# KiCad board KiBoxLite_H.kicad_pcb
title: ESP32-PoE; date: 2025-02-21; rev: M1; company: OLIMEX Ltd.; note: https://www.olimex.com
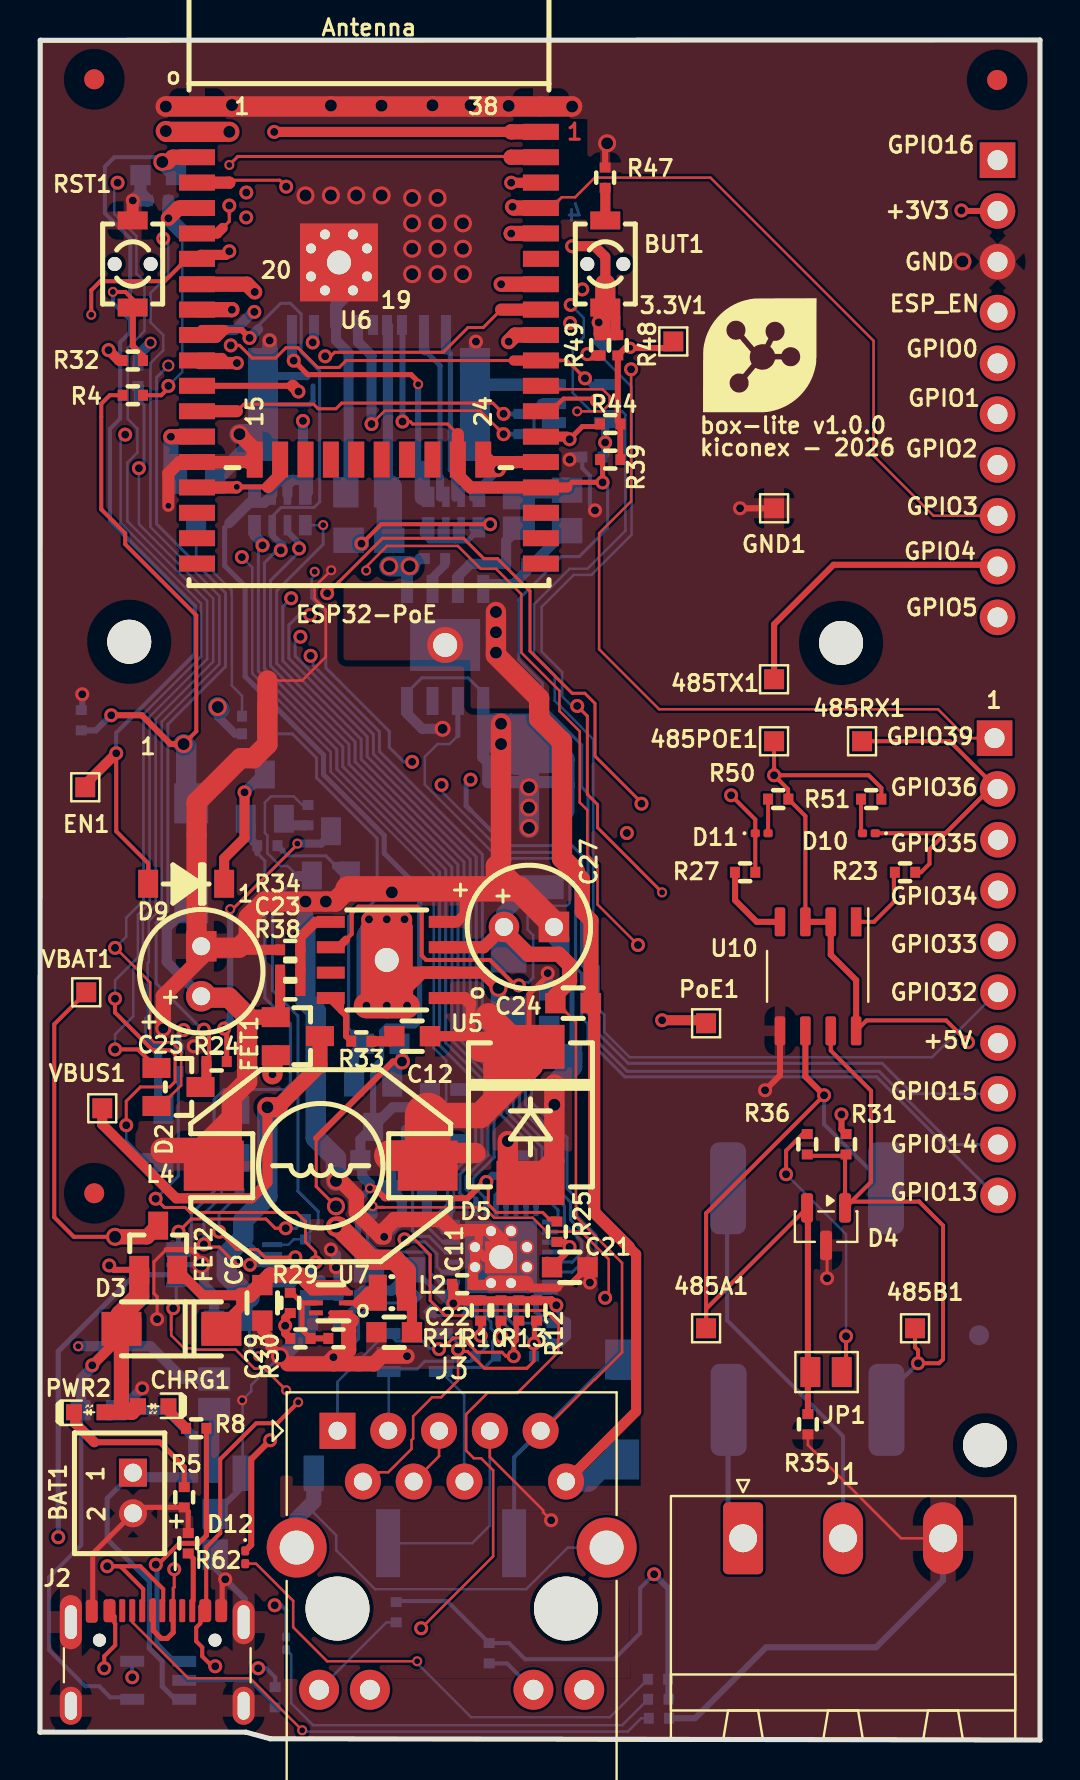
[diagram p0: board, top side]
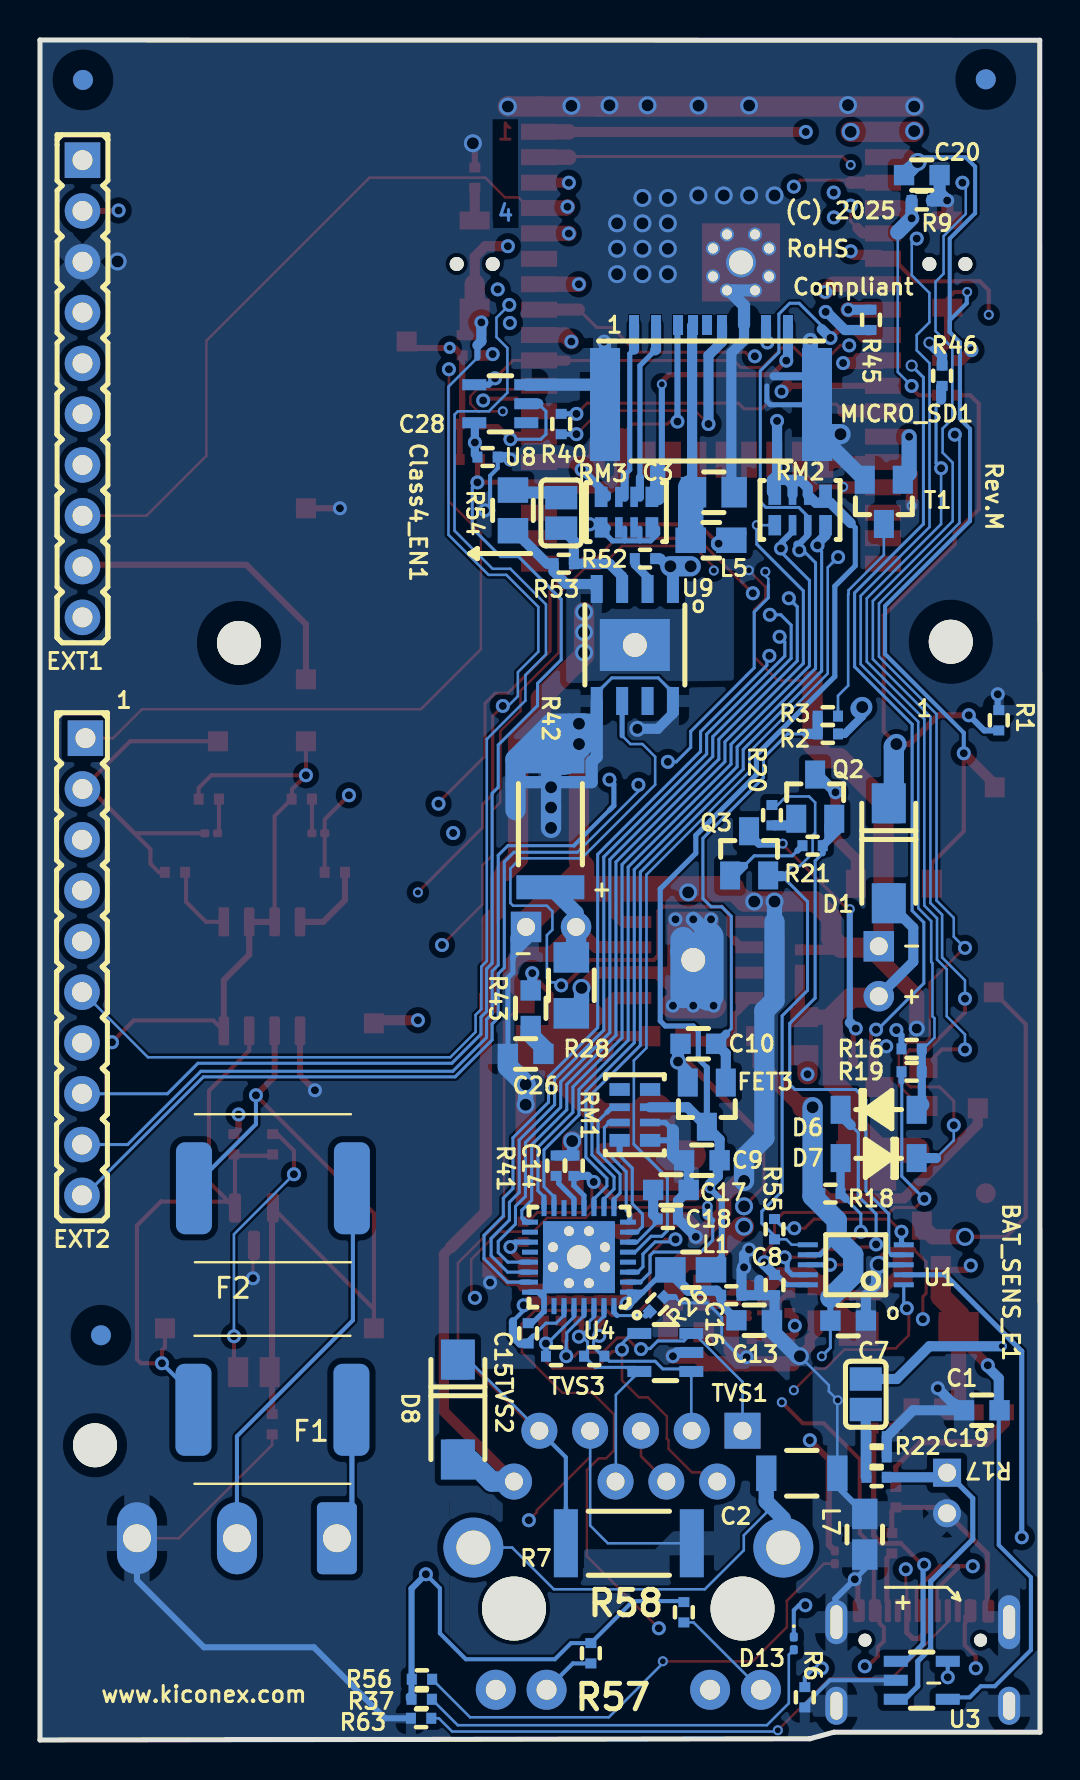
[diagram p1: board, bottom side, seen from below]

Outline 50.01 x 85 mm; copper layers: Top, In1.Cu (plane), In2.Cu (plane), Bottom. Coordinates in mm from the lower left corner of the outline.
Outline path: 10.3,0.39 0,0.39 0.01,84.99 50.01,85 50.01,0 11.51,0.06 10.31,0.39
Stack: Top 0.035mm / dielectric 0.48mm FR4 er 4.5 / In1.Cu 0.035mm / dielectric 0.48mm FR4 er 4.5 / In2.Cu 0.035mm / dielectric 0.48mm FR4 er 4.5 / Bottom 0.035mm

## Placement (name value [footprint] x y rotation side)
3.3V1  TestPoint  [TestPoint_Pad_1.0x1.0mm]  31.67 69.93 0 top
485A1  TestPoint  [TestPoint_Pad_1.0x1.0mm]  33.31 20.59 0 top
485B1  TestPoint  [TestPoint_Pad_1.0x1.0mm]  43.76 20.59 0 top
485POE1  TestPoint  [TestPoint_Pad_1.0x1.0mm]  36.71 49.94 0 top
485RX1  TestPoint  [TestPoint_Pad_1.0x1.0mm]  41.11 49.94 0 top
485TX1  TestPoint  [TestPoint_Pad_1.0x1.0mm]  36.71 53.04 0 top
BAT1  DW02S  [LIPO_BAT_VERTICAL_DW02S]  1.11 12.34 270 top
BAT_SENS_E1  Opened  [SJ]  8.71 17.29 270 bottom
BUT1  IT1185AU2  [IT1185AU2_V2]  28.27 73.8 90 top
C1  22uF/6.3V/20%/X5R/C0603  [C_0603_5MIL_DWS]  2.91 16.49 0 bottom
C2  1nF/2000V/10%/X7R/C1206  [C_1206_5MIL_DWS_ISO]  11.91 13.34 180 bottom
C3  47uF/6.3V/20%/X5R/C0805  [C_0805_5MIL_DWS]  16.31 62.39 180 bottom
C6  22uF/6.3V/20%/X5R/C0603  [C_0603_5MIL_DWS]  11.12 21.86 270 top
C7  22uF/6.3V/20%/X5R/C0603  [C_0603_5MIL_DWS]  9.6 20.97 180 bottom
C8  100nF/10V/20%/X5R/C04020  [C_0402_5MIL_DWS]  13.28 22.75 270 bottom
C9  22uF/6.3V/20%/X5R/C0603  [C_0603_5MIL_DWS]  16.91 28.99 0 bottom
C10  22uF/6.3V/20%/X5R/C0603  [C_0603_5MIL_DWS]  17.09 34.81 180 bottom
C11  100nF/10V/20%/X5R/C04020  [C_0402_5MIL_DWS]  21.11 22.79 0 top
C12  100nF/100V/10%/X7R/C0603  [C_0603_5MIL_DWS]  18.61 35.19 180 top
C13  22uF/6.3V/20%/X5R/C0603  [C_0603_5MIL_DWS]  14.29 20.99 180 bottom
C14  100nF/10V/20%/X5R/C04020  [C_0402_5MIL_DWS]  23.31 28.71 90 bottom
C15  100nF/10V/20%/X5R/C04020  [C_0402_5MIL_DWS]  25.6 20.33 90 bottom
C16  100nF/10V/20%/X5R/C04020  [C_0402_5MIL_DWS]  15.44 22.24 180 bottom
C17  2.2uF/6.3V/10%/X5R/C0603  [C_0603_5MIL_DWS]  18.46 27.5 180 bottom
C18  100nF/10V/20%/X5R/C04020  [C_0402_5MIL_DWS]  18.61 26.05 180 bottom
C19  1nF/50V/10%/X7R/C0402  [C_0402_5MIL_DWS]  8.17 15.17 180 bottom
C20  1uF/10V/20%/X5R/C0603  [C_0603_5MIL_DWS]  5.91 78.24 180 bottom
C21  NA(10uF/6.3V/20%/X5R/C0603)  [C_0603_5MIL_DWS]  26.5 23.63 180 top
C22  22uF/6.3V/20%/X5R/C0603  [C_0603_5MIL_DWS]  17.71 20.39 180 top
C23  12pF/50V/5%/COG/C0402  [C_0402_5MIL_DWS]  12.52 38.49 0 top
C24  100nF/100V/10%/X7R/C0603  [C_0603_5MIL_DWS]  26.66 36.84 0 top
C25  470uF/10V/20%/Low_ESR/RM2.5/6.0x11mm  [CPOL-RM2.5mm_6.3x11mm_PTH]  8.06 38.44 90 top
C26  NA(220pF/100V/C0603)  [C_0603_5MIL_DWS]  25.72 34.3 0 bottom
C27  15uF/100V/20%/RM2.5/6.3x11mm(Farnell:1281844)  [CPOL-RM2.5mm_6.3x11mm_PTH]  24.45 40.65 0 top
C28  NA(100nF/10V/20%/X5R/C04020)  [C_0402_5MIL_DWS]  27.63 64.15 0 bottom
C29  NA(120pF/50V/5%/C0G/C0402)  [C_0402_5MIL_DWS]  13.02 20.08 180 top  (not fitted)
CHRG1  LED/YELLOW/0603  [LED_0603_KA]  5.66 16.69 180 top
Class4_EN1  Closed  [SJ]  23.95 61.35 270 bottom
D1  1N5822/SS34/SMA  [SMA-KA]  7.56 44.34 270 bottom
D2  BAT54C(SOT23-3)  [SOT23-3]  6.93 32.65 180 top
D3  1N5822/SS34/SMA  [SMA-KA]  6.57 20.56 180 top
D4  SM712_SOT23  [SOT-23]  39.31 25.67 270 top
D5  SS510/100V/5A/0.85V/DO214AB(SMC)  [DO214AB(SMC)_1(K)-2(A)]  24.53 31.25 270 top
D6  1N5819S4(SOD-123)  [SOD-123_1C-2A_KA]  8.07 31.51 180 bottom
D7  1N5819S4(SOD-123)  [SOD-123_1C-2A_KA]  8.07 29.1 0 bottom
D8  SMAJ58A/SMA  [SMA-KA]  29.11 16.52 270 bottom
D9  1N5819S4(SOD-123)  [SOD-123_1C-2A_KA]  7.31 42.81 180 top
D10  LED  [LED_0201_0603Metric]  41.45 45.34 180 top
D11  LED  [LED_0201_0603Metric]  36.09 45.34 0 top
D12  LED  [LED_0201_0603Metric]  10.26 9.14 270 top
D13  LED  [LED_0201_0603Metric]  12.31 4.83 270 bottom
EN1  TestPoint  [TestPoint_Pad_1.0x1.0mm]  2.26 47.64 0 top
EXT1  NS(HN1x10)  [HN1x10#2]  47.89 67.56 270 bottom
EXT2  NS(HN1x10)  [HN1x10]  47.91 38.66 270 bottom
F1  Polyfuse_Small  [TS250]  38.39 16.51 180 bottom
F2  Polyfuse_Small  [TS250]  38.36 27.59 180 bottom
FET1  WPM2015-3/TR  [SOT23]  12.9 35.19 180 top
FET2  WPM2015-3/TR  [SOT23]  5.91 24.62 270 top
FET3  WPM2015-3/TR  [SOT23]  16.66 31.76 90 bottom
FID1  Fiducial  [Fiducial1x3]  2.71 83.04 0 top
FID2  Fiducial  [Fiducial1x3]  2.71 83.03 180 bottom
FID3  Fiducial  [Fiducial1x3]  47.87 83 0 top
FID4  Fiducial  [Fiducial1x3]  2.71 27.34 0 top
FID5  Fiducial  [Fiducial1x3]  47.86 83 180 bottom
FID6  Fiducial  [Fiducial1x3]  46.96 20.24 180 bottom
GND1  TestPoint  [TestPoint_Pad_1.0x1.0mm]  36.71 61.59 0 top
J1  Screw_Terminal_01x03  [PhoenixContact_MSTBA_2,5_3-G_1x03_P5.00mm_Horizontal]  35.16 10.09 0 top
J2  USB4105-GF-A-060  [USB_C_Receptacle_GCT_USB4105-xx-A_16P_TopMnt_Horizontal]  5.86 2.79 0 top
J3  RJ45_Abracon_ARJP11A-MASA-B-A-EMU2  [RJ45_Abracon_ARJP11A-MA_Horizontal]  14.88 15.46 0 top
JP1  SolderJumper_2_Bridged  [SolderJumper_IND_Data]  39.3 18.4 0 top
L1  FB0805/600R/2A  [L_0805_5MIL_DWS]  17.47 23.51 0 bottom
L2  1.0uH/4.2A/DCR=35mR/20%/2.00x1.60x1.00mm/L2016(PIM201610-1R0MTS00)  [L_2016_MM]  17.6 22.36 0 top
L4  33uH/2.1A/DCR=0.1R/20%/DBS135(PD3316MT330)  [DBS135]  14.04 28.71 180 top
L5  FB0805/600R/2A  [L_0805_5MIL_DWS]  16.45 59.99 0 bottom
L7  FB0805/600R/2A  [L_0805_5MIL_DWS]  8.76 10.29 90 bottom
Logo  -  [logo_ki_10x10mm]  35.91 69.19 0 top
MH1  Mounting_Hole_NPTH  [NPTH_2.2mm]  4.46 54.91 0 top
MH2  Mounting_Hole_NPTH  [NPTH_2.2mm]  40.06 54.85 0 top
MH3  Mounting_Hole_NPTH  [NPTH_2.2mm]  47.26 14.74 0 top
MICRO_SD1  TFC-9P-1.7H(ATFFS150A01BR016)  [uSD(TFC-9P-1.xH(ATFFS150A01BR016))]  16.45 67.45 0 bottom
PoE1  TestPoint  [TestPoint_Pad_1.0x1.0mm]  33.31 35.84 0 top
PWR2  LED/RED/0603  [LED_0603_KA]  2.46 16.39 0 top
Q2  BC817-40(SOT23)  [SOT23]  11.24 47.17 270 bottom
Q3  BC817-40(SOT23)  [SOT23]  14.55 44.34 270 bottom
R1  10k/R0402  [R_0402_5MIL_DWS]  2.06 50.99 90 bottom
R2  10k/R0402  [R_0402_5MIL_DWS]  10.61 50.3 0 bottom
R3  1k/R0402  [R_0402_5MIL_DWS]  10.61 51.19 180 bottom
R4  47k/R0402  [R_0402_5MIL_DWS]  4.64 67.24 0 top
R5  2.2k/R0402  [R_0402_5MIL_DWS]  7.21 12.14 270 top
R6  10k/R0402  [R_0402_5MIL_DWS]  11.76 2.14 270 bottom
R7  9.1k/R2512  [R_2512_MM_DWS]  20.56 9.84 180 bottom
R8  2.2k/R0402  [R_0402_5MIL_DWS]  7.81 15.59 0 top
R9  100k/R0402  [R_0402_5MIL_DWS]  5.91 76.97 180 bottom
R10  49.9R/1%/R0402  [R_0402_5MIL_DWS]  23.06 21.48 270 top
R11  49.9R/1%/R0402  [R_0402_5MIL_DWS]  22.04 21.48 270 top
R12  49.9R/1%/R0402  [R_0402_5MIL_DWS]  24.84 21.48 270 top
R13  49.9R/1%/R0402  [R_0402_5MIL_DWS]  23.95 21.48 270 top
R16  NA(10k/R0402)  [R_0402_5MIL_DWS]  6.42 34.56 0 bottom
R17  470k/R0402  [R_0402_5MIL_DWS]  8.17 13.14 0 bottom
R18  10k/R0402  [R_0402_5MIL_DWS]  10.48 27.32 180 bottom
R19  10k/R0402  [R_0402_5MIL_DWS]  6.42 33.41 180 bottom
R20  1k/R0402  [R_0402_5MIL_DWS]  13.41 46.24 270 bottom
R21  1k/R0402  [R_0402_5MIL_DWS]  11.37 44.72 0 bottom
R22  470k/R0402  [R_0402_5MIL_DWS]  8.17 14.15 180 bottom
R23  22R  [R_0402_5MIL_DWS]  43.26 43.39 180 top
R24  220R/R0402  [R_0402_5MIL_DWS]  8.83 33.92 180 top
R25  10k/R0402  [R_0402_5MIL_DWS]  25.85 25.41 90 top
R26  12.1k/1%/R0402  [R_0402_5MIL_DWS]  19.15 21.79 135 bottom
R27  22R  [R_0402_5MIL_DWS]  35.26 43.39 180 top
R28  0.03R/1%/R1206  [R_1206_5MIL_DWS]  23.44 37.73 90 bottom
R29  220k/R0402  [R_0402_5MIL_DWS]  12.52 21.86 270 top
R30  49.9k/1%/R0402  [R_0402_5MIL_DWS]  14.93 20.08 0 top
R31  220R  [R_0402_5MIL_DWS]  40.31 29.79 270 top
R32  10k/R0402  [R_0402_5MIL_DWS]  4.64 68.97 0 top
R33  4.7R/R0402  [R_0402_5MIL_DWS]  16.07 34.94 0 top
R34  5.23k/1%/R0402  [R_0402_5MIL_DWS]  12.52 39.51 180 top
R35  220R  [R_0402_5MIL_DWS]  38.4 15.79 270 top
R36  120R  [R_0402_5MIL_DWS]  38.37 29.79 90 top
R37  2.2K  [R_0402_5MIL_DWS]  30.92 2.04 180 bottom
R38  30.1k/1%/R0402  [R_0402_5MIL_DWS]  12.52 37.48 0 top
R39  10k/R0402  [R_0402_5MIL_DWS]  28.52 64.02 180 top
R40  10R/R0402  [R_0402_5MIL_DWS]  23.95 65.8 270 bottom
R41  2.2k/R0402  [R_0402_5MIL_DWS]  24.2 28.71 270 bottom
R42  9.1k/R2512  [R_2512_MM_DWS]  24.49 45.79 90 bottom
R43  NA(22R/R0603)  [R_0603_5MIL_DWS]  25.47 36.59 90 bottom
R44  NA/R0402  [R_0402_5MIL_DWS]  28.52 65.8 0 top
R45  NA(10R/R0402)  [R_0402_5MIL_DWS]  8.45 71.01 270 bottom
R46  220R/R0402  [R_0402_5MIL_DWS]  4.9 68.21 90 bottom
R47  220R/R0402  [R_0402_5MIL_DWS]  28.26 78.12 90 top
R48  10k/R0402  [R_0402_5MIL_DWS]  28.9 69.74 90 top
R49  NA/R0402  [R_0402_5MIL_DWS]  28.01 69.74 270 top
R50  2.2K  [R_0402_5MIL_DWS]  36.92 47.05 0 top
R51  2.2K  [R_0402_5MIL_DWS]  41.57 47.05 0 top
R52  24.9k/1%/R0402  [R_0402_5MIL_DWS]  19.76 59.07 0 bottom
R53  1.27k/1%/62.5mW/R0402  [R_0402_5MIL_DWS]  23.82 58.81 0 bottom
R54  NA(66.5R/1%/125mW/R0805)  [R_0805_5MIL_DWS]  26.36 61.48 90 bottom
R55  4.7k/R0402  [R_0402_5MIL_DWS]  13.28 25.54 90 bottom
R56  2.2K  [R_0402_5MIL_DWS]  30.91 3.04 180 bottom
R57  2.2k/R0402  [R_0402_5MIL_DWS]  22.46 4.34 270 bottom
R58  2.2k/R0402  [R_0402_5MIL_DWS]  17.81 6.39 90 bottom
R62  5.1K  [R_0402_5MIL_DWS]  7.41 9.84 90 top
R63  5.1K  [R_0402_5MIL_DWS]  30.95 1.09 180 bottom
RM1  RA1206_(4X0603)_4B8_2.2k  [R_MATRIX_4]  20.26 31.25 90 bottom
RM2  RA1206_(4X0603)_4B8_2.2k  [R_MATRIX_4]  12 61.5 0 bottom
RM3  RA1206_(4X0603)_4B8_2.2k  [R_MATRIX_4]  20.68 61.39 0 bottom
RST1  IT1185AU2  [IT1185AU2_V2]  4.63 73.8 90 top
T1  LMUN2211LT1G(SOT-23)  [SOT23]  7.81 61.9 90 bottom
TVS1  ESDS314DBVR(SOT-23-5)  [SOT-23-5]  18.74 19.38 180 bottom
TVS2  NA(GG0402052R542P)  [D_0402_5MIL_DWS]  24.2 19.19 180 bottom
TVS3  NA(GG0402052R542P)  [D_0402_5MIL_DWS]  22.3 19.19 0 bottom
U1  CH340X(MSOP-10)  [MSOP-10_Pitch-0.5mm_3.00x3.00x1.00mm]  9.21 23.76 90 bottom
U3  TP4054-42-SOT25-R(SOT23-5)  [SOT-23-5]  5.91 2.99 0 bottom
U4  LAN8710A-EZC(QFN32)  [QFN32_EP(33)_5.00x5.00x0.90mm_Pitch_0.50mm]  23.06 24.14 90 bottom
U5  TX4138(ESOIC-8)  [ESOIC-8]  17.34 39 90 top
U6  ESP32-WROOM-32E-N4  [ESP32-WROVER(WROOM)-UNIVERSAL_MODULE]  16.45 73.42 0 top
U7  TPS62A02ADRLR(SOT-563-6)  [SOT-563-6]  14.55 21.86 0 top
U8  NA(SN74LVC1G04DBVR(SOT23-5))  [SOT-23-5]  26.99 66.81 180 bottom
U9  TPS2378DDAR(HSOIC-8)  [ESOIC-8]  20.26 54.75 0 bottom
U10  -  [MAX13487]  38.91 38.18 270 top
VBAT1  TestPoint  [TestPoint_Pad_1.0x1.0mm]  2.31 37.39 0 top
VBUS1  TestPoint  [TestPoint_Pad_1.0x1.0mm]  3.11 31.59 0 top

## Library data of the parts
3.3V1 485A1 485B1 485POE1 485RX1 485TX1 EN1 GND1 PoE1 VBAT1 VBUS1 = -: Description: test point; ki_fp_filters: Pin* Test*
BAT1 BUT1 FET2 L1 L2 L4 L5 L7 RM1 RM3 RST1 = -: Fieldname 1: Value 1; Fieldname2: Value2; Fieldname3: Value3
BAT_SENS_E1 Class4_EN1 = -: ki_fp_filters: *SJ* *SJ-CLOSE* *SJ_1_SMALLER_CLOSE* *SJ_1_SMALLER_CLOSE_10MILS* *SJ_1_THE_SMALLEST* *SJ_1_SMALLER* *SJW*
C1-C3 C6-C11 C13-C22 C24 = -: Fieldname 1: Value 1; Fieldname2: Value2; Fieldname3: Value3; ki_fp_filters: C? C_????_* C_???? SMD*_c Capacitor*
C12 C23 C26 C29 = -: ki_fp_filters: C? C_????_* C_???? SMD*_c Capacitor*
C25 C27 = -: ki_fp_filters: CP* Elko* TantalC* C*elec c_elec* SMD*_Pol
C28 = -: Fieldname 1: Value 1; Fieldname2: Value2; Fieldname3: Value3; Value WROVER: 100nF/10V/20%/X5R/C04020; Value WROVER-EA: 100nF/10V/20%/X5R/C04020; ki_fp_filters: C? C_????_* C_???? SMD*_c Capacitor*
CHRG1 PWR2 = -: Fieldname 1: Value 1; Fieldname2: Value2; Fieldname3: Value3; ki_fp_filters: LED-3MM LED-5MM LED-10MM LED-0603 LED-0805 LED-1206 LEDV
D1 = -: ki_fp_filters: D-Pak_TO252AA Diode_* *SingleDiode *SingleDiode* *_Diode_*
D3 = -: Fieldname 1: Value 1; Fieldname2: Value2; Fieldname3: Value3; ki_fp_filters: D-Pak_TO252AA Diode_* *SingleDiode *SingleDiode* *_Diode_*
D4 = -: Datasheet: https://www.littelfuse.com/~/media/electronics/datasheets/tvs_diode_arrays/littelfuse_tvs_diode_array_sm712_datasheet.pdf.pdf; Description: 7V/12V, 600W Asymmetrical TVS Diode Array, SOT-23; ki_fp_filters: SOT?23*
D5-D7 D9 = -: Fieldname 1: Value 1; Fieldname2: Value2; Fieldname3: Value3; ki_fp_filters: Diode_* D-Pak_TO252AA *SingleDiode *SingleDiode* *_Diode_*
D8 = -: ki_fp_filters: *DO214AA*
D10-D13 = -: Description: Light emitting diode; Sim.Pins: 1=K 2=A; ki_fp_filters: LED* LED_SMD:* LED_THT:*
F1 F2 = -: Description: Resettable fuse, polymeric positive temperature coefficient, small symbol; ki_fp_filters: *polyfuse* *PTC*
FID1-FID6 = -: ki_fp_filters: *TEST_PAD40/70/SQUARE* *TESTPAD50/80* *TESPAD28/40* *TESTPAD32/56* *TESTPAD34/60* *TESTPAD311_1* *TESTPAD40/66/SQUARE* *TESTPAD40/66* *TESTPAD* *TESTPAD2* *TESTPAD43/80* *SMD50/40* *TESTPAD50/80* *TESTPAD50/80_SQUARE* *TESTPAD60/110* *TESTPAD311* *SMD80/30* *SMD80/40* *SMD80/50* *TESTPAD80/130* *TESTPAD90/69* *SMD100/40* *TESTPAD100/150* *SMD250/80* *TESTPAD40/OBLONG* *TESTPAD_RPM* *TESTPAD60/90_WITHOUT_MASK*
J1 = -: Description: Generic screw terminal, single row, 01x03, script generated (kicad-library-utils/schlib/autogen/connector/); ki_fp_filters: TerminalBlock*:*
J2 = -: Description: USB-C (USB TYPE-C) USB 2.0 Receptacle Connector 24 (16+8 Dummy) Position Surface Mount, Right Angle; Through Hole; MF: GCT; MAXIMUM_PACKAGE_HEIGHT: 3.31mm; Package: None; Price: None; Check_prices: https://www.snapeda.com/parts/USB4105-GF-A-060/Global+Connector+Technology/view-part/?ref=eda; STANDARD: Manufacturer Recommendations; PARTREV: B3; SnapEDA_Link: https://www.snapeda.com/parts/USB4105-GF-A-060/Global+Connector+Technology/view-part/?ref=snap; Purchase-URL: https://www.snapeda.com/api/url_track_click_mouser/?unipart_id=6278292&manufacturer=GCT&part_name=USB4105-GF-A-060&search_term=None; Availability: In Stock; MANUFACTURER: Global Connector Technology
J3 = -: Datasheet: https://abracon.com/Magnetics/lan/ARJP11A.PDF; Description: RJ45 PoE 10/100 Base-TX Jack with Magnetic Module; ki_fp_filters: RJ45*Abracon*ARJP11A?MA*
JP1 = -: Description: Solder Jumper, 2-pole, closed/bridged; ki_fp_filters: SolderJumper*Bridged*
MICRO_SD1 = -: Datasheet: http://www.globalsources.com/gsol/I/Memory-card/p/sm/1148705868.htm?pos_dd=prod_PrdtDDImage_1_24#1148705868; ki_fp_filters: *TFC-WXCP11-08-LF*
R1-R13 R16-R22 R25 R26 R29 R30 R32 R39-R42 R44 R47-R49 R55 R57 R58 = -: Fieldname 1: Value 1; Fieldname2: Value2; Fieldname3: Value3; ki_fp_filters: R_* Resistor_*
R23 R27 R31 R35 R36 R50 R51 R62 R63 = -: Description: Resistor; ki_fp_filters: R_*
R24 R28 R33 R34 R38 R43 R46 R52-R54 = -: ki_fp_filters: R_* Resistor_*
R37 R56 = -: Description: Resistor, small symbol; ki_fp_filters: R_*
R45 = -: Fieldname 1: Value 1; Fieldname2: Value2; Fieldname3: Value3; Value WROVER: 10R/R0402; Value WROVER-EA: 10R/R0402; ki_fp_filters: R_* Resistor_*
T1 = -: Datasheet: https://www.lcsc.com/datasheet/lcsc_datasheet_2410010302_LRC-LMUN2211LT1G_C12775.pdf; Description: NPN Silicon Surface Mount Transistor with Monolithic Bias Resistor Network; Note: PB-Free; ki_fp_filters: *SOT-23*
TVS1 = -: Datasheet: https://www.ti.com/lit/gpn/esds314; Description: The ESDS314 devices are unidirectional ESD Protection Diode with a low capacitance.; ki_fp_filters: Diode_* D-Pak_TO252AA *SingleDiode *SingleDiode* *_Diode_*
TVS2 TVS3 = -: Description: GiGuard series of ESD Suppression Diodes, Bi-directional Leadless Transient Voltage Suppressor Diodes Provide ESD Protection for High Speed Communication and Data Lines; ki_fp_filters: Diode_* D-Pak_TO252AA *SingleDiode *SingleDiode* *_Diode_*
U1 = -: Datasheet: http://www.wch-ic.com/downloads/CH340DS1_PDF.html; Description: USB to Serial Port Chip CH340; Note: PB-Free; ki_fp_filters: SSOP-20W
U3 = -: Datasheet: https://datasheet.lcsc.com/lcsc/2304140030_BL-Shanghai-Belling-BL4054B-42TPRN_C83783.pdf; Description: 800mA Standalone Linear Li-Ion Battery Charger with Thermal Regulation in SOT23-5/TSOT23-5; Note: PB-Free
U4 = -: Fieldname 1: Value 1; Fieldname2: Value2; Fieldname3: Value3; Value EA-IND: LAN8710AI-EZK (industrial); Value IND: LAN8710AI-EZK (industrial)
U5 = -: Datasheet: https://datasheet.lcsc.com/lcsc/1811141153_XDS-TX4138_C329267.pdf; Description: 4A, 60V, 200KHz Step-Down Converter
U6 = -: Value 16MB: ESP32-WROOM-32E-N16; Value EA: ESP32-WROOM-32UE; Value EA-IND: ESP32-WROOM-32UE; Value EA-16MB: ESP32-WROOM-32UE-N16; Value WROVER: ESP32-WROVER-E-N4R8; Value WROVER-EA: ESP32-WROVER-IE
U7 = -: Datasheet: https://www.ti.com/lit/ds/symlink/tps62a02a.pdf?ts=1709667174890&ref_url=https%253A%252F%252Fwww.ti.com%252Fpower-management%252Fnon-isolated-dc-dc-switching-regulators%252Fstep-down-buck%252Fproducts.html; Description: 2-A High-Efficiency Synchronous Buck Converters in a SOT563 Package; Fieldname 1: Value 1; Fieldname2: Value2; Fieldname3: Value3; Note: PB-Free; ki_fp_filters: *SOT23-5*
U8 = -: Value WROVER: SN74LVC1G04DBVR(SOT23-5); Value WROVER-EA: SN74LVC1G04DBVR(SOT23-5)
U9 = -: Datasheet: https://www.ti.com/lit/ds/symlink/tps2378.pdf?ts=1705340374510&ref_url=https%253A%252F%252Fwww.ti.com%252Fproduct%252FTPS2378%252Fpart-details%252FTPS2378DDAR; Description: IEEE 802.3at PoE High-Power PD Interface; Note: PB-Free
U10 = -: Datasheet: https://www.mouser.es/datasheet/2/256/MAX13487E-MAX13488E-1515036.pdf; Description: RS485/RS422 compatible transceiver with Audirection control, hot swap capabilities and ESD protection.; Manufacturer: Maxim Integrated / Analog Devices

## Footprints (pads in the part's own frame, mm; a bottom-side part is the same pattern mirrored in y, then rotated)
C_0402_5MIL_DWS
  rect 0.5x0.55 smd: 1(-0.508,0) 2(0.508,0)
C_0603_5MIL_DWS
  rect 1.016x1.016 smd: 1(-0.889,0) 2(0.889,0)
C_0805_5MIL_DWS
  rect 1.27x1.524 smd: 1(-1.016,0) 2(1.016,0)
C_1206_5MIL_DWS_ISO
  rect 1.016x1.778 smd: 1(-1.778,0) 2(1.778,0)
CPOL-RM2.5mm_6.3x11mm_PTH
  round 1.524 hole 0.9: 1(-1.25,0)
  rect 1.524x1.524 hole 0.9: 2(1.25,0)
D_0402_5MIL_DWS
  rect 0.5x0.55 smd: 1(-0.508,0) 2(0.508,0)
DBS135
  rect 3.4x2.8 smd: (-5.35,0) (5.35,0)
  rect 3x2.5 smd: 1(-5.35,0) 2(5.35,0)
DO214AB(SMC)_1(K)-2(A)
  rect 2.4x3.6 smd: (-3.4,0) (3.4,0)
  rect 2.2x3.4 smd: 1(-3.4,0) 2(3.4,0)
ESOIC-8
  rect 0.6x1.4 smd: 1(-1.905,-2.8) 2(-0.635,-2.8) 3(0.635,-2.8) 4(1.905,-2.8) 5(1.905,2.8) 6(0.635,2.8) 7(-0.635,2.8) 8(-1.905,2.8)
  round 1.8 hole 1.2: 9(0,0)
  rect 3.5x2.6 smd: 9(0,0)
ESP32-WROVER(WROOM)-UNIVERSAL_MODULE
  rect 1.902x0.902 smd: (-8.6,8.26) (-8.6,6.99) (-8.6,5.72) (-8.6,4.45) (-8.6,3.18) (-8.6,1.91) (-8.6,0.64) (-8.6,-0.63) (-8.6,-1.9) (-8.6,-3.17) (-8.6,-4.44) (-8.6,-5.71) (-8.6,-6.98) (-8.6,-8.25) (-8.6,-9.52) (-8.6,-10.79) (-8.6,-12.06) (-8.6,-13.33) (-8.6,-14.6) (8.6,8.26) (8.6,6.99) (8.6,5.72) (8.6,4.45) (8.6,3.18) (8.6,1.91) (8.6,0.64) (8.6,-0.63) (8.6,-1.9) (8.6,-3.17) (8.6,-4.44) (8.6,-5.71) (8.6,-6.98) (8.6,-8.25) (8.6,-9.52) (8.6,-10.79) (8.6,-12.06) (8.6,-13.33) (8.6,-14.6)
  rect 0.902x1.902 smd: (-5.715,-9.4) (-4.445,-9.4) (-3.175,-9.4) (-1.905,-9.4) (-0.635,-9.4) (0.635,-9.4) (1.905,-9.4) (3.175,-9.4) (4.445,-9.4) (5.715,-9.4)
  rect 0.9x0.9 smd: (-2.9,1.86) (-2.9,0.46) (-2.9,-0.94) (-1.5,1.86) (-1.5,-0.94) (-0.1,1.86) (-0.1,0.46) (-0.1,-0.94)
  rect 1.8x0.8 smd: 1(-8.6,8.26) 2(-8.6,6.99) 3(-8.6,5.72) 4(-8.6,4.45) 5(-8.6,3.18) 6(-8.6,1.91) 7(-8.6,0.64) 8(-8.6,-0.63) 9(-8.6,-1.9) 10(-8.6,-3.17) 11(-8.6,-4.44) 12(-8.6,-5.71) 13(-8.6,-6.98) 14(-8.6,-8.25) 15(-8.6,-9.52) 16(-8.6,-10.79) 17(-8.6,-12.06) 18(-8.6,-13.33) 19(-8.6,-14.6) 20(8.6,-14.6) 21(8.6,-13.33) 22(8.6,-12.06) 23(8.6,-10.79) 24(8.6,-9.52) 25(8.6,-8.25) 26(8.6,-6.98) 27(8.6,-5.71) 28(8.6,-4.44) 29(8.6,-3.17) 30(8.6,-1.9) 31(8.6,-0.63) 32(8.6,0.64) 33(8.6,1.91) 34(8.6,3.18) 35(8.6,4.45) 36(8.6,5.72) 37(8.6,6.99) 38(8.6,8.26)
  rect 0.8x1.8 smd: 15(-5.715,-9.4) 16(-4.445,-9.4) 17(-3.175,-9.4) 18(-1.905,-9.4) 19(-0.635,-9.4) 20(0.635,-9.4) 21(1.905,-9.4) 22(3.175,-9.4) 23(4.445,-9.4) 24(5.715,-9.4)
  round 0.7 hole 0.5: 39(-2.9,1.16) 39(-2.9,-0.24) 39(-2.2,1.86) 39(-2.2,-0.94) 39(-0.8,1.86) 39(-0.8,-0.94) 39(-0.1,1.16) 39(-0.1,-0.24)
  round 1.5 hole 1.2: 39(-1.5,0.46)
  rect 3.9x3.9 smd: 39(-1.5,0.46)
Fiducial1x3
  round 1 smd: Fid1(0,0)
HN1x10
  rect 1.778x1.778 hole 1: 1(-11.43,0.173)
  round 1.778 hole 1: 2(-8.89,0.023) 3(-6.35,0) 4(-3.81,0) 5(-1.27,0) 6(1.27,0) 7(3.81,0) 8(6.35,0) 9(8.89,0) 10(11.43,0)
HN1x10#2
  rect 1.778x1.778 hole 1: 1(-11.43,0)
  round 1.778 hole 1: 2(-8.89,0) 3(-6.35,0) 4(-3.81,0) 5(-1.27,0) 6(1.27,0) 7(3.81,0) 8(6.35,0) 9(8.89,0) 10(11.43,0)
IT1185AU2_V2
  rect 1.327x1.754 smd: (-2.39,0) (2.39,0)
  round 0.7 hole 0.7 unplated: (0,0.9) (0,-0.9)
  rect 0.9x1.5 smd: 1(-2.177,0) 2(2.177,0)
L_0805_5MIL_DWS
  rect 1.524x1.27 smd: 1(-1.016,0) 2(1.016,0)
L_2016_MM
  rect 1.1x2 smd: (-0.7,0) (0.7,0)
  rect 0.9x1.8 smd: 1(-0.7,0) 2(0.7,0)
LED_0201_0603Metric
  rrect 0.318x0.36 smd: (-0.345,0) (0.345,0)
  rrect 0.46x0.4 smd: 1(-0.32,0) 2(0.32,0)
LED_0603_KA
  rect 0.8x0.8 smd: 1(-0.762,0) 2(0.762,0)
LIPO_BAT_VERTICAL_DW02S
  rect 1.4x1.4 hole 0.9: 1(-1.029,3.536)
  round 1.4 hole 0.9: 2(1.001,3.538)
MAX13487
  rect 1.45x0.53 smd: 1(-2.725,1.905)
  rrect 1.45x0.53 smd: 2(-2.725,0.635) 3(-2.725,-0.635) 4(-2.725,-1.905) 5(2.725,-1.905) 6(2.725,-0.635) 7(2.725,0.635) 8(2.725,1.905)
MSOP-10_Pitch-0.5mm_3.00x3.00x1.00mm
  rect 0.25x1 smd: 1(-1,-2.4) 2(-0.5,-2.4) 3(0,-2.4) 4(0.5,-2.4) 5(1,-2.4) 6(1,2.4) 7(0.5,2.4) 8(0,2.4) 9(-0.5,2.4) 10(-1,2.4)
NPTH_2.2mm
  round 2.2 hole 2.2 unplated: (0,0)
PhoenixContact_MSTBA_2,5_3-G_1x03_P5.00mm_Horizontal
  rrect 2x3.6 hole 1.4: 1(0,0)
  oval 2x3.6 hole 1.4: 2(5,0) 3(10,0)
QFN32_EP(33)_5.00x5.00x0.90mm_Pitch_0.50mm
  rect 1x1 smd: (-1.2,-1.2) (-1.2,1.2) (1.2,-1.2) (1.2,1.2)
  rect 1x0.6 smd: (-1.2,0) (1.2,0)
  rect 0.6x1 smd: (0,-1.2) (0,1.2)
  rect 0.25x0.8 smd: 1(-1.75,-2.45) 2(-1.25,-2.45) 3(-0.75,-2.45) 4(-0.25,-2.45) 5(0.25,-2.45) 6(0.75,-2.45) 7(1.25,-2.45) 8(1.75,-2.45) 17(1.75,2.45) 18(1.25,2.45) 19(0.75,2.45) 20(0.25,2.45) 21(-0.25,2.45) 22(-0.75,2.45) 23(-1.25,2.45) 24(-1.75,2.45)
  rect 0.8x0.25 smd: 9(2.45,-1.75) 10(2.45,-1.25) 11(2.45,-0.75) 12(2.45,-0.25) 13(2.45,0.25) 14(2.45,0.75) 15(2.45,1.25) 16(2.45,1.75) 25(-2.45,1.75) 26(-2.45,1.25) 27(-2.45,0.75) 28(-2.45,0.25) 29(-2.45,-0.25) 30(-2.45,-0.75) 31(-2.45,-1.25) 32(-2.45,-1.75)